# Altium PCB SX-SCPCB-014-V1.1_开关控制环型LED.PcbDoc (part 2 of 2)
Units mm, origin at the board's own origin, x right, y up, seen from the top; angles counter-clockwise.
Board outline 114.98 x 95 mm, 2 copper layers (Top Layer, Bottom Layer); 91 components, 56 nets, 282 pads, 0 vias.
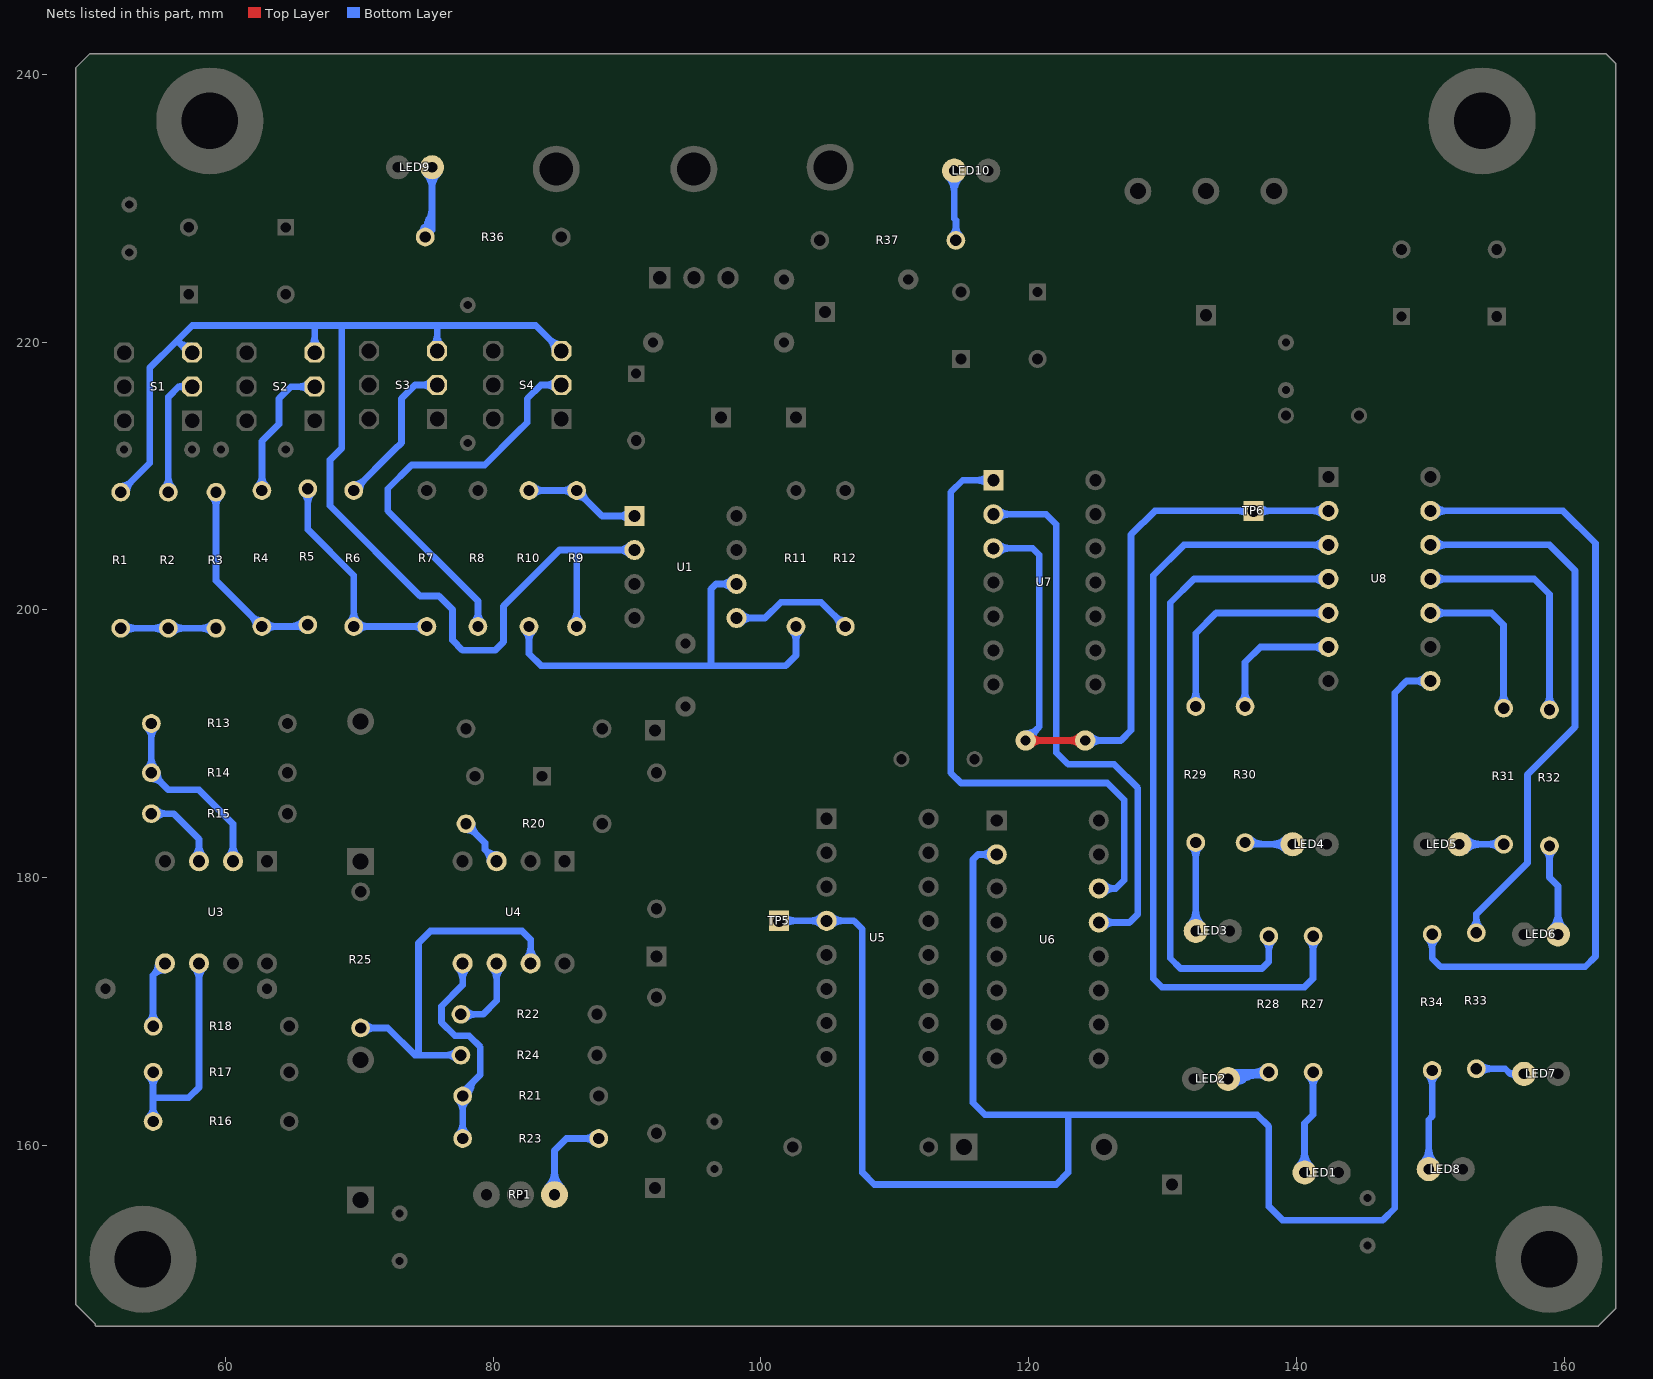
[diagram p2: the nets of this part, all layers, seen from the top]

## Nets (pads, with @x,y where several pads share a name; then routed paths per layer and width w, separated by ;. In a path a pad name is that pad's centre, name@x,y a point inside that pad or via, vN(x,y) a via of type N, cw(c..) or ccw(c..) an arc to the next point about the centre after c; other vN are vias at no path point) (continued)
NetLED1_1: LED1.1 R27.2 | length 16.1
  Bottom Layer w0.5: LED1.1@140.589,157.988 140.589,161.671 141.224,162.306 R27.2@141.224,165.481 ; 140.589,159.557 cw(c139.02,159.557) 140.129,158.448 ccw(c139.02,159.557) 140.589,159.557 ; 140.589,159.557 ccw(c142.158,159.557) 141.049,158.448 cw(c142.158,159.557) 140.589,159.557 ; 141.224,164.395 cw(c142.31,164.395) 141.542,165.163 ccw(c142.31,164.395) 141.224,164.395 ; 141.224,164.395 ccw(c140.138,164.395) 140.906,165.163 cw(c140.138,164.395) 141.224,164.395
NetLED2_1: LED2.1 R28.2 | length 22.4
  Bottom Layer w0.5: LED2.1@134.874,164.973 134.874,165.481 R28.2@137.922,165.481 ; LED2.1@134.989,165.069 ccw(c135.594,165.571) 135.987,164.891 ; LED2.1@135.332,165.435 ccw(c135.633,165.739) 135.847,165.368 ; LED2.1@135.374,165.389 ccw(c136.057,165.956) 136.501,165.187 ; LED2.1@135.517,164.88 cw(c136.184,164.784) 135.847,165.368 ; 136.836,165.481 cw(c136.836,164.395) 137.604,165.163 ccw(c136.836,164.395) 136.836,165.481 ; 136.836,165.481 ccw(c136.836,166.567) 137.604,165.799 cw(c136.836,166.567) 136.836,165.481 ; LED2.1@134.98,164.867 cw(c136.463,163.384) 136.463,165.481 ccw(c136.463,163.384) LED2.1@134.98,164.867 ; LED2.1@135.334,164.513 cw(c137.67,162.177) 137.67,165.481 ccw(c137.67,162.177) LED2.1@135.334,164.513 ; 136.703,165.222 cw(c137.042,163.957) 137.697,165.091 ccw(c137.042,163.957) 136.703,165.222 ; 137.008,165.304 ccw(c136.785,166.138) 137.532,165.706 cw(c136.785,166.138) 137.008,165.304
NetLED3_1: LED3.1 R29.2 | length 14.9
  Bottom Layer w0.5: LED3.1@132.461,176.022 R29.2@132.461,182.626 ; 132.461,177.591 cw(c130.892,177.591) 132.001,176.482 ccw(c130.892,177.591) 132.461,177.591 ; 132.461,177.591 ccw(c134.03,177.591) 132.921,176.482 cw(c134.03,177.591) 132.461,177.591 ; 132.461,181.54 cw(c133.547,181.54) 132.779,182.308 ccw(c133.547,181.54) 132.461,181.54 ; 132.461,181.54 ccw(c131.375,181.54) 132.143,182.308 cw(c131.375,181.54) 132.461,181.54
NetLED4_1: LED4.1 R30.2 | length 12
  Bottom Layer w0.5: R30.2@136.144,182.626 136.271,182.499 LED4.1@139.7,182.499 ; 138.131,182.499 cw(c138.131,180.93) 139.24,182.039 ccw(c138.131,180.93) 138.131,182.499 ; 138.131,182.499 ccw(c138.131,184.068) 139.24,182.959 cw(c138.131,184.068) 138.131,182.499 ; R30.2@136.462,182.308 cw(c136.924,181.846) 136.924,182.499 ccw(c136.924,181.846) R30.2@136.462,182.308 ; R30.2@136.462,182.944 ccw(c137.537,184.019) 137.537,182.499 cw(c137.537,184.019) R30.2@136.462,182.944
NetLED5_1: LED5.1 R31.2 | length 11.6
  Bottom Layer w0.5: LED5.1@152.146,182.499 R31.2@155.448,182.499 ; 153.715,182.499 cw(c153.715,184.068) 152.606,182.959 ccw(c153.715,184.068) 153.715,182.499 ; 153.715,182.499 ccw(c153.715,180.93) 152.606,182.039 cw(c153.715,180.93) 153.715,182.499 ; 154.362,182.499 cw(c154.362,181.413) 155.13,182.181 ccw(c154.362,181.413) 154.362,182.499 ; 154.362,182.499 ccw(c154.362,183.585) 155.13,182.817 cw(c154.362,183.585) 154.362,182.499
NetLED6_1: LED6.1 R32.2 | length 15.2
  Bottom Layer w0.5: R32.2@158.877,182.372 158.877,180.01 159.512,179.375 LED6.1@159.512,175.768 ; 158.877,181.286 cw(c159.963,181.286) 159.195,182.054 ccw(c159.963,181.286) 158.877,181.286 ; 158.877,181.286 ccw(c157.791,181.286) 158.559,182.054 cw(c157.791,181.286) 158.877,181.286 ; 159.512,177.337 cw(c157.943,177.337) 159.052,176.228 ccw(c157.943,177.337) 159.512,177.337 ; 159.512,177.337 ccw(c161.081,177.337) 159.972,176.228 cw(c161.081,177.337) 159.512,177.337
NetLED7_1: LED7.1 R33.2 | length 9.3
  Bottom Layer w0.5: R33.2@153.416,165.735 155.575,165.735 155.956,165.354 ; LED7.1@156.972,165.354 155.956,165.354 ; 154.502,165.735 cw(c154.502,166.821) 153.734,166.053 ccw(c154.502,166.821) 154.502,165.735 ; 154.502,165.735 ccw(c154.502,164.649) 153.734,165.417 cw(c154.502,164.649) 154.502,165.735 ; 155.956,165.354 cw(c155.956,164.885) 156.382,165.082 ccw(c155.956,164.885) 155.956,165.354 ; 155.956,165.354 ccw(c155.956,165.823) 156.382,165.626 cw(c155.956,165.823) 155.956,165.354
NetLED8_1: LED8.1 R34.2 | length 15.8
  Bottom Layer w0.5: LED8.1@149.86,158.242 149.86,161.925 150.114,162.179 R34.2@150.114,165.608 ; 149.86,159.811 cw(c148.291,159.811) 149.4,158.702 ccw(c148.291,159.811) 149.86,159.811 ; 149.86,159.811 ccw(c151.429,159.811) 150.32,158.702 cw(c151.429,159.811) 149.86,159.811 ; 150.114,164.522 cw(c151.2,164.522) 150.432,165.29 ccw(c151.2,164.522) 150.114,164.522 ; 150.114,164.522 ccw(c149.028,164.522) 149.796,165.29 cw(c149.028,164.522) 150.114,164.522
NetLED9_1: LED9.1 R36.2 | length 19.3
  Bottom Layer w0.5: 74.842,228.555 ccw(c75.426,228.217) R36.2@74.89,227.808 ; R36.2@74.93,227.838 75.438,228.346 LED9.1@75.438,233.045 ; 75.216,229.203 ccw(c76.07,228.711) R36.2@75.287,228.112 ; 75.438,231.476 cw(c77.007,231.476) 75.898,232.585 ccw(c77.007,231.476) 75.438,231.476 ; 75.438,231.476 ccw(c73.869,231.476) 74.978,232.585 cw(c73.869,231.476) 75.438,231.476 ; R36.2@74.612,228.156 ccw(c72.617,230.151) 75.438,230.151 cw(c72.617,230.151) R36.2@74.612,228.156 ; R36.2@74.965,227.803 ccw(c73.824,228.944) 75.438,228.944 cw(c73.824,228.944) R36.2@74.965,227.803
NetLED10_1: LED10.2 R37.2 | length 13.6
  Bottom Layer w0.5: LED10.2@114.427,232.791 114.427,229.21 114.554,229.083 R37.2@114.554,227.584 ; 114.427,231.222 cw(c115.996,231.222) 114.887,232.331 ccw(c115.996,231.222) 114.427,231.222 ; 114.427,231.222 ccw(c112.858,231.222) 113.967,232.331 cw(c112.858,231.222) 114.427,231.222 ; 114.554,228.67 cw(c113.468,228.67) 114.236,227.902 ccw(c113.468,228.67) 114.554,228.67 ; 114.554,228.67 ccw(c115.64,228.67) 114.872,227.902 cw(c115.64,228.67) 114.554,228.67
NetR1_1: R1.1 R2.1 R3.1 | length 20.8
  Bottom Layer w0.5: R1.1@52.197,198.628 R2.1@55.753,198.628 R3.1@59.309,198.628 ; 53.283,198.628 cw(c53.283,199.714) 52.515,198.946 ccw(c53.283,199.714) 53.283,198.628 ; 53.283,198.628 ccw(c53.283,197.542) 52.515,198.31 cw(c53.283,197.542) 53.283,198.628 ; 54.667,198.628 cw(c54.667,197.542) 55.435,198.31 ccw(c54.667,197.542) 54.667,198.628 ; 54.667,198.628 ccw(c54.667,199.714) 55.435,198.946 cw(c54.667,199.714) 54.667,198.628 ; 56.839,198.628 cw(c56.839,199.714) 56.071,198.946 ccw(c56.839,199.714) 56.839,198.628 ; 56.839,198.628 ccw(c56.839,197.542) 56.071,198.31 cw(c56.839,197.542) 56.839,198.628 ; 58.223,198.628 cw(c58.223,197.542) 58.991,198.31 ccw(c58.223,197.542) 58.223,198.628 ; 58.223,198.628 ccw(c58.223,199.714) 58.991,198.946 cw(c58.223,199.714) 58.223,198.628
NetR1_2: R1.2 R9.1 S1.1 S2.2 S3.2 S4.2 U1.2 | length 117.5
  Bottom Layer w0.5: R1.2@52.197,208.788 54.356,210.947 54.356,218.059 56.388,220.091 ; R1.2@52.197,209.238 ccw(c52.197,210.324) 52.965,209.556 ccw(c53.733,208.788) R1.2@52.647,208.788 ; S1.1@56.858,219.621 cw(c56.439,219.202) S1.1@57.032,219.202 ; S1.1@57.482,219.699 cw(c57.35,221.053) 56.388,220.091 ; S1.1@57.531,219.202 57.277,219.202 56.388,220.091 ; S2.2@66.322,219.555 ccw(c65.47,220.407) 66.675,220.407 ccw(c67.88,220.407) S2.2@67.028,219.555 ; S2.2@66.675,219.202 66.675,221.234 ; S3.2@75.466,219.682 ccw(c74.614,220.534) 75.819,220.534 ccw(c77.024,220.534) S3.2@76.172,219.682 ; S3.2@75.819,219.329 75.819,221.234 ; S4.2@84.591,219.329 ccw(c83.385,219.329) 84.238,220.181 ccw(c85.09,221.034) S4.2@85.09,219.828 ; S4.2@85.09,219.329 83.185,221.234 75.819,221.234 ; R9.1@86.233,198.755 86.233,204.47 ; U1.2@90.551,204.47 86.233,204.47 ; 56.388,220.091 57.531,221.234 66.675,221.234 ; 66.675,221.234 68.707,221.234 ; 68.707,221.234 68.707,212.09 67.818,211.201 67.818,207.772 74.549,201.041 75.946,201.041 76.962,200.025 76.962,197.739 77.724,196.977 80.137,196.977 80.772,197.612 80.772,200.279 84.963,204.47 86.233,204.47 ; 68.707,221.234 75.819,221.234 ; 86.233,199.841 cw(c85.147,199.841) 85.915,199.073 ccw(c85.147,199.841) 86.233,199.841 ; 86.233,199.841 ccw(c87.319,199.841) 86.551,199.073 cw(c87.319,199.841) 86.233,199.841 ; 89.344,204.47 cw(c89.344,203.263) 90.197,204.116 ccw(c89.344,203.263) 89.344,204.47 ; 89.344,204.47 ccw(c89.344,205.677) 90.197,204.824 cw(c89.344,205.677) 89.344,204.47
NetR2_2: R2.2 S1.2 | length 12.3
  Bottom Layer w0.5: R2.2@55.435,209.106 ccw(c54.667,209.874) 55.753,209.874 ccw(c56.839,209.874) R2.2@56.071,209.106 ; R2.2@55.753,208.788 55.753,215.9 56.515,216.662 ; S1.2@57.136,216.357 ccw(c56.515,215.878) 56.515,216.662 ; S1.2@57.136,216.967 cw(c56.515,217.446) 56.515,216.662 ; S1.2@57.531,216.662 56.515,216.662
NetR3_2: R3.2 R4.1 R5.1 | length 28.6
  Bottom Layer w0.5: R3.2@59.309,208.788 59.309,202.184 R4.1@62.738,198.755 66.04,198.755 R5.1@66.167,198.882 ; 59.309,207.702 cw(c60.395,207.702) 59.627,208.47 ccw(c60.395,207.702) 59.309,207.702 ; 59.309,207.702 ccw(c58.223,207.702) 58.991,208.47 cw(c58.223,207.702) 59.309,207.702 ; 61.97,199.523 cw(c61.202,198.755) 62.288,198.755 ccw(c61.202,198.755) 61.97,199.523 ; 61.97,199.523 ccw(c62.738,200.291) 62.738,199.205 cw(c62.738,200.291) 61.97,199.523 ; 63.824,198.755 cw(c63.824,199.841) 63.056,199.073 ccw(c63.824,199.841) 63.824,198.755 ; 63.824,198.755 ccw(c63.824,197.669) 63.056,198.437 cw(c63.824,197.669) 63.824,198.755 ; 64.774,198.755 ccw(c64.774,200.275) 65.849,199.2 cw(c64.774,200.275) 64.774,198.755 ; 65.387,198.755 cw(c65.387,198.102) 65.849,198.564 ccw(c65.387,198.102) 65.387,198.755
NetR4_2: R4.2 S2.1 | length 15.7
  Bottom Layer w0.5: R4.2@62.738,208.915 62.738,212.598 64.008,213.868 64.008,215.773 64.897,216.662 S2.1@66.675,216.662 ; S2.1@66.322,216.309 ccw(c65.47,215.457) 65.47,216.662 ccw(c65.47,217.867) S2.1@66.322,217.015 ; 62.738,210.001 cw(c61.652,210.001) 62.42,209.233 ccw(c61.652,210.001) 62.738,210.001 ; 62.738,210.001 ccw(c63.824,210.001) 63.056,209.233 cw(c63.824,210.001) 62.738,210.001
NetR5_2: R5.2 R6.1 R7.1 | length 30.8
  Bottom Layer w0.5: R5.2@66.167,209.042 66.167,205.994 69.596,202.565 R6.1@69.596,198.755 R7.1@75.057,198.755 ; 66.167,207.956 cw(c67.253,207.956) 66.485,208.724 ccw(c67.253,207.956) 66.167,207.956 ; 66.167,207.956 ccw(c65.081,207.956) 65.849,208.724 cw(c65.081,207.956) 66.167,207.956 ; 69.596,199.841 cw(c68.51,199.841) 69.278,199.073 ccw(c68.51,199.841) 69.596,199.841 ; 69.596,199.841 ccw(c70.682,199.841) R6.1@69.914,199.073 ; 69.596,199.841 ccw(c70.682,199.841) R6.1@69.914,199.073 ; R6.1@69.914,199.073 ccw(c70.682,199.841) 70.682,198.755 ; R6.1@69.914,199.073 ccw(c70.682,199.841) 70.682,198.755 ; 70.682,198.755 ccw(c70.682,197.669) 69.914,198.437 cw(c70.682,197.669) 70.682,198.755 ; 73.971,198.755 cw(c73.971,197.669) 74.739,198.437 ccw(c73.971,197.669) 73.971,198.755 ; 73.971,198.755 ccw(c73.971,199.841) 74.739,199.073 cw(c73.971,199.841) 73.971,198.755
NetR6_2: R6.2 S3.1 | length 16.7
  Bottom Layer w0.5: R6.2@69.596,208.915 72.644,211.963 73.152,212.471 73.152,215.773 74.168,216.789 S3.1@75.819,216.789 ; S3.1@75.466,216.436 ccw(c74.614,215.584) 74.614,216.789 ccw(c74.614,217.994) S3.1@75.466,217.142 ; 70.364,209.683 cw(c69.596,210.451) 69.596,209.365 ccw(c69.596,210.451) 70.364,209.683 ; 70.364,209.683 ccw(c71.132,208.915) 70.046,208.915 cw(c71.132,208.915) 70.364,209.683
NetR8_2: R8.2 S4.1 | length 35.6
  Bottom Layer w0.5: R8.2@78.867,198.755 78.867,200.66 72.136,207.391 72.136,209.042 73.914,210.82 79.375,210.82 81.788,213.233 82.55,213.995 82.55,215.773 83.566,216.789 S4.1@85.09,216.789 ; S4.1@84.737,216.436 ccw(c83.885,215.584) 83.885,216.789 ccw(c83.885,217.994) S4.1@84.737,217.142 ; 78.867,199.841 cw(c77.781,199.841) 78.549,199.073 ccw(c77.781,199.841) 78.867,199.841 ; 78.867,199.841 ccw(c79.953,199.841) 79.185,199.073 cw(c79.953,199.841) 78.867,199.841
NetR9_2: R9.2 R10.2 U1.1 | length 22.7
  Bottom Layer w0.5: R10.2@82.677,208.915 R9.2@86.233,208.915 88.138,207.01 U1.1@90.551,207.01 ; 83.763,208.915 cw(c83.763,210.001) 82.995,209.233 ccw(c83.763,210.001) 83.763,208.915 ; 83.763,208.915 ccw(c83.763,207.829) 82.995,208.597 cw(c83.763,207.829) 83.763,208.915 ; 85.147,208.915 cw(c85.147,207.829) 85.915,208.597 ccw(c85.147,207.829) 85.147,208.915 ; 85.147,208.915 ccw(c85.147,210.001) 85.915,209.233 cw(c85.147,210.001) 85.147,208.915 ; 87.001,208.147 cw(c87.769,208.915) 86.683,208.915 ccw(c87.769,208.915) 87.001,208.147 ; 87.001,208.147 ccw(c86.233,207.379) 86.233,208.465 cw(c86.233,207.379) 87.001,208.147 ; 89.344,207.01 cw(c89.344,205.803) 90.197,206.656 ccw(c89.344,205.803) 89.344,207.01 ; 89.344,207.01 ccw(c89.344,208.217) 90.197,207.364 cw(c89.344,208.217) 89.344,207.01
NetR10_1: R10.1 R11.2 U1.6 | length 43.2
  Bottom Layer w0.5: R10.1@82.677,198.755 82.677,196.723 83.566,195.834 95.905,195.834 96.266,195.834 ; U1.6@98.171,201.93 96.647,201.93 96.266,201.549 96.266,195.834 ; R11.2@102.616,198.755 102.616,196.596 101.854,195.834 96.266,195.834 ; 82.677,197.669 cw(c83.763,197.669) 82.995,198.437 ccw(c83.763,197.669) 82.677,197.669 ; 82.677,197.669 ccw(c81.591,197.669) 82.359,198.437 cw(c81.591,197.669) 82.677,197.669 ; 96.964,201.93 cw(c96.964,200.723) 97.817,201.576 ccw(c96.964,200.723) 96.964,201.93 ; 96.964,201.93 ccw(c96.964,203.137) 97.817,202.284 cw(c96.964,203.137) 96.964,201.93 ; 102.616,197.669 cw(c103.702,197.669) 102.934,198.437 ccw(c103.702,197.669) 102.616,197.669 ; 102.616,197.669 ccw(c101.53,197.669) 102.298,198.437 cw(c101.53,197.669) 102.616,197.669
NetR12_1: R12.1 U1.5 | length 16.6
  Bottom Layer w0.5: U1.5@98.171,199.39 100.305,199.39 101.473,200.558 104.496,200.558 R12.1@106.299,198.755 ; 99.378,199.39 cw(c99.378,200.597) 98.525,199.744 ccw(c99.378,200.597) 99.378,199.39 ; 99.378,199.39 ccw(c99.378,198.183) 98.525,199.036 cw(c99.378,198.183) 99.378,199.39 ; 105.531,199.523 cw(c104.763,198.755) 105.849,198.755 ccw(c104.763,198.755) 105.531,199.523 ; 105.531,199.523 ccw(c106.299,200.291) 106.299,199.205 cw(c106.299,200.291) 105.531,199.523
NetR13_1: R13.1 R14.2 U3.2 | length 28.2
  Bottom Layer w0.5: R13.1@54.483,191.516 R14.2@54.483,187.833 55.753,186.563 58.039,186.563 60.579,184.023 U3.2@60.579,181.229 ; 54.483,188.919 cw(c53.397,188.919) 54.165,188.151 ccw(c53.397,188.919) 54.483,188.919 ; 54.483,188.919 ccw(c55.569,188.919) 54.801,188.151 cw(c55.569,188.919) 54.483,188.919 ; 54.483,190.43 cw(c55.569,190.43) 54.801,191.198 ccw(c55.569,190.43) 54.483,190.43 ; 54.483,190.43 ccw(c53.397,190.43) 54.165,191.198 cw(c53.397,190.43) 54.483,190.43 ; 55.251,187.065 cw(c56.019,187.833) 54.933,187.833 ccw(c56.019,187.833) 55.251,187.065 ; 55.251,187.065 ccw(c54.483,186.297) 54.483,187.383 cw(c54.483,186.297) 55.251,187.065 ; 60.579,182.436 cw(c59.372,182.436) 60.225,181.583 ccw(c59.372,182.436) 60.579,182.436 ; 60.579,182.436 ccw(c61.786,182.436) 60.933,181.583 cw(c61.786,182.436) 60.579,182.436
NetR15_1: R15.1 U3.3 | length 13.2
  Bottom Layer w0.5: R15.1@54.483,184.785 56.134,184.785 58.039,182.88 U3.3@58.039,181.229 ; 55.569,184.785 cw(c55.569,185.871) 54.801,185.103 ccw(c55.569,185.871) 55.569,184.785 ; 55.569,184.785 ccw(c55.569,183.699) 54.801,184.467 cw(c55.569,183.699) 55.569,184.785 ; 58.039,182.436 cw(c56.832,182.436) 57.685,181.583 ccw(c56.832,182.436) 58.039,182.436 ; 58.039,182.436 ccw(c59.246,182.436) 58.393,181.583 cw(c59.246,182.436) 58.039,182.436
NetR16_1: R16.1 R17.2 U3.6 | length 27.3
  Bottom Layer w0.5: R16.1@54.61,161.798 54.61,163.576 ; R17.2@54.61,165.481 54.61,163.576 ; U3.6@58.039,173.609 58.039,164.338 57.277,163.576 54.61,163.576 ; 54.61,162.884 cw(c53.524,162.884) 54.292,162.116 ccw(c53.524,162.884) 54.61,162.884 ; 54.61,162.884 ccw(c55.696,162.884) 54.928,162.116 cw(c55.696,162.884) 54.61,162.884 ; 54.61,164.395 cw(c55.696,164.395) 54.928,165.163 ccw(c55.696,164.395) 54.61,164.395 ; 54.61,164.395 ccw(c53.524,164.395) 54.292,165.163 cw(c53.524,164.395) 54.61,164.395 ; 58.039,172.402 cw(c59.246,172.402) 58.393,173.255 ccw(c59.246,172.402) 58.039,172.402 ; 58.039,172.402 ccw(c56.832,172.402) 57.685,173.255 cw(c56.832,172.402) 58.039,172.402
NetR18_1: R18.1 U3.5 | length 12.3
  Bottom Layer w0.5: R18.1@54.61,168.91 54.61,172.72 U3.5@55.499,173.609 ; 54.61,169.996 cw(c53.524,169.996) 54.292,169.228 ccw(c53.524,169.996) 54.61,169.996 ; 54.61,169.996 ccw(c55.696,169.996) 54.928,169.228 cw(c55.696,169.996) 54.61,169.996 ; 54.645,172.755 cw(c55.499,171.902) 55.499,173.109 ccw(c55.499,171.902) 54.645,172.755 ; 54.645,172.755 ccw(c53.792,173.609) 54.999,173.609 cw(c53.792,173.609) 54.645,172.755
NetR20_2: R20.2 U4.3 | length 10.9
  Bottom Layer w0.5: R20.2@77.978,184.023 79.4,182.601 79.4,182.093 U4.3@80.264,181.229 ; 78.746,183.255 cw(c79.514,184.023) 78.428,184.023 ccw(c79.514,184.023) 78.746,183.255 ; 78.746,183.255 ccw(c77.978,182.487) 77.978,183.573 cw(c77.978,182.487) 78.746,183.255 ; 79.41,182.083 cw(c78.557,181.229) 79.764,181.229 ccw(c78.557,181.229) 79.41,182.083 ; 79.41,182.083 ccw(c80.264,182.936) 80.264,181.729 cw(c80.264,182.936) 79.41,182.083
NetR21_1: R21.1 R23.2 U4.5 | length 30.4
  Bottom Layer w0.5: R23.2@77.724,160.528 R21.1@77.724,163.703 77.724,163.978 79.047,165.301 79.047,167.352 78.198,168.201 77.144,168.201 76.147,169.198 76.147,170.4 77.724,171.977 U4.5@77.724,173.609 ; R21.1@77.743,163.657 ccw(c77.361,164.599) 78.344,164.336 ; 77.724,161.614 cw(c76.638,161.614) 77.406,160.846 ccw(c76.638,161.614) 77.724,161.614 ; 77.724,161.614 ccw(c78.81,161.614) 78.042,160.846 cw(c78.81,161.614) 77.724,161.614 ; 77.724,162.617 cw(c78.81,162.617) 78.042,163.385 ccw(c78.81,162.617) 77.724,162.617 ; 77.724,162.617 ccw(c76.638,162.617) 77.406,163.385 cw(c76.638,162.617) 77.724,162.617 ; 77.724,172.402 cw(c78.931,172.402) 78.078,173.255 ccw(c78.931,172.402) 77.724,172.402 ; 77.724,172.402 ccw(c76.517,172.402) 77.37,173.255 cw(c76.517,172.402) 77.724,172.402 ; R21.1@78.174,163.703 cw(c79.924,163.703) 78.687,164.941 ccw(c79.924,163.703) R21.1@78.174,163.703
NetR22_2: R22.2 U4.6 | length 13.1
  Bottom Layer w0.5: R22.2@77.597,169.799 79.248,169.799 80.264,170.815 U4.6@80.264,173.609 ; 78.683,169.799 cw(c78.683,170.885) 77.915,170.117 ccw(c78.683,170.885) 78.683,169.799 ; 78.683,169.799 ccw(c78.683,168.713) 77.915,169.481 cw(c78.683,168.713) 78.683,169.799 ; 80.264,172.402 cw(c81.471,172.402) 80.618,173.255 ccw(c81.471,172.402) 80.264,172.402 ; 80.264,172.402 ccw(c79.057,172.402) 79.91,173.255 cw(c79.057,172.402) 80.264,172.402
NetR23_1: R23.1 RP1.1 | length 16.1
  Bottom Layer w0.5: RP1.1@84.582,156.337 84.582,159.639 85.471,160.528 R23.1@87.884,160.528 ; 84.582,158.148 cw(c82.771,158.148) 84.052,156.867 ccw(c82.771,158.148) 84.582,158.148 ; 84.582,158.148 ccw(c86.393,158.148) 85.112,156.867 cw(c86.393,158.148) 84.582,158.148 ; 86.798,160.528 cw(c86.798,159.442) 87.566,160.21 ccw(c86.798,159.442) 86.798,160.528 ; 86.798,160.528 ccw(c86.798,161.614) 87.566,160.846 cw(c86.798,161.614) 86.798,160.528
NetR24_2: R24.2 R25.1 U4.7 | length 38.1
  Bottom Layer w0.5: R25.1@70.104,168.783 72.136,168.783 74.168,166.751 74.422,166.751 ; R24.2@77.597,166.751 74.422,166.751 ; U4.7@82.804,173.609 82.804,175.387 82.169,176.022 75.311,176.022 74.422,175.133 74.422,166.751 ; 71.19,168.783 cw(c71.19,169.869) 70.422,169.101 ccw(c71.19,169.869) 71.19,168.783 ; 71.19,168.783 ccw(c71.19,167.697) 70.422,168.465 cw(c71.19,167.697) 71.19,168.783 ; 76.511,166.751 cw(c76.511,165.665) 77.279,166.433 ccw(c76.511,165.665) 76.511,166.751 ; 76.511,166.751 ccw(c76.511,167.837) 77.279,167.069 cw(c76.511,167.837) 76.511,166.751 ; 82.804,174.816 cw(c81.597,174.816) 82.45,173.963 ccw(c81.597,174.816) 82.804,174.816 ; 82.804,174.816 ccw(c84.011,174.816) 83.158,173.963 cw(c84.011,174.816) 82.804,174.816
NetR27_1: R27.1 U8.3 | length 67
  Bottom Layer w0.5: R27.1@141.224,175.641 141.224,172.466 140.589,171.831 129.921,171.831 129.286,172.466 129.286,202.565 131.572,204.851 U8.3@142.367,204.851 ; 141.16,204.851 cw(c141.16,203.644) 142.013,204.497 ccw(c141.16,203.644) 141.16,204.851 ; 141.16,204.851 ccw(c141.16,206.058) 142.013,205.205 cw(c141.16,206.058) 141.16,204.851 ; 141.224,174.555 cw(c142.31,174.555) 141.542,175.323 ccw(c142.31,174.555) 141.224,174.555 ; 141.224,174.555 ccw(c140.138,174.555) 140.906,175.323 cw(c140.138,174.555) 141.224,174.555
NetR28_1: R28.1 U8.4 | length 56.1
  Bottom Layer w0.5: R28.1@137.922,175.641 137.922,173.736 137.414,173.228 131.318,173.228 130.556,173.99 130.556,200.533 132.334,202.311 U8.4@142.367,202.311 ; 137.922,174.555 cw(c139.008,174.555) 138.24,175.323 ccw(c139.008,174.555) 137.922,174.555 ; 137.922,174.555 ccw(c136.836,174.555) 137.604,175.323 cw(c136.836,174.555) 137.922,174.555 ; 141.16,202.311 cw(c141.16,201.104) 142.013,201.957 ccw(c141.16,201.104) 141.16,202.311 ; 141.16,202.311 ccw(c141.16,203.518) 142.013,202.665 cw(c141.16,203.518) 141.16,202.311
NetR29_1: R29.1 U8.5 | length 23.2
  Bottom Layer w0.5: R29.1@132.461,192.786 132.461,198.247 133.985,199.771 U8.5@142.367,199.771 ; 132.461,193.872 cw(c131.375,193.872) 132.143,193.104 ccw(c131.375,193.872) 132.461,193.872 ; 132.461,193.872 ccw(c133.547,193.872) 132.779,193.104 cw(c133.547,193.872) 132.461,193.872 ; 141.16,199.771 cw(c141.16,198.564) 142.013,199.417 ccw(c141.16,198.564) 141.16,199.771 ; 141.16,199.771 ccw(c141.16,200.978) 142.013,200.125 cw(c141.16,200.978) 141.16,199.771
NetR30_1: R30.1 U8.6 | length 17.2
  Bottom Layer w0.5: R30.1@136.144,192.786 136.144,196.088 137.287,197.231 U8.6@142.367,197.231 ; 136.144,193.872 cw(c135.058,193.872) 135.826,193.104 ccw(c135.058,193.872) 136.144,193.872 ; 136.144,193.872 ccw(c137.23,193.872) 136.462,193.104 cw(c137.23,193.872) 136.144,193.872 ; 141.16,197.231 cw(c141.16,196.024) 142.013,196.877 ccw(c141.16,196.024) 141.16,197.231 ; 141.16,197.231 ccw(c141.16,198.438) 142.013,197.585 cw(c141.16,198.438) 141.16,197.231
NetR31_1: R31.1 U8.10 | length 19.3
  Bottom Layer w0.5: U8.10@149.987,199.771 154.559,199.771 155.448,198.882 R31.1@155.448,192.659 ; 151.194,199.771 cw(c151.194,200.978) 150.341,200.125 ccw(c151.194,200.978) 151.194,199.771 ; 151.194,199.771 ccw(c151.194,198.564) 150.341,199.417 cw(c151.194,198.564) 151.194,199.771 ; 155.448,193.745 cw(c154.362,193.745) 155.13,192.977 ccw(c154.362,193.745) 155.448,193.745 ; 155.448,193.745 ccw(c156.534,193.745) 155.766,192.977 cw(c156.534,193.745) 155.448,193.745
NetR32_1: R32.1 U8.11 | length 25.2
  Bottom Layer w0.5: U8.11@149.987,202.311 157.734,202.311 158.877,201.168 R32.1@158.877,192.532 ; 151.194,202.311 cw(c151.194,203.518) 150.341,202.665 ccw(c151.194,203.518) 151.194,202.311 ; 151.194,202.311 ccw(c151.194,201.104) 150.341,201.957 cw(c151.194,201.104) 151.194,202.311 ; 158.877,193.618 cw(c157.791,193.618) 158.559,192.85 ccw(c157.791,193.618) 158.877,193.618 ; 158.877,193.618 ccw(c159.963,193.618) 159.195,192.85 cw(c159.963,193.618) 158.877,193.618
NetR33_1: R33.1 U8.12 | length 48.9
  Bottom Layer w0.5: U8.12@149.987,204.851 158.877,204.851 160.782,202.946 160.782,191.262 157.226,187.706 157.226,181.102 153.416,177.292 R33.1@153.416,175.895 ; 151.194,204.851 cw(c151.194,206.058) 150.341,205.205 ccw(c151.194,206.058) 151.194,204.851 ; 151.194,204.851 ccw(c151.194,203.644) 150.341,204.497 cw(c151.194,203.644) 151.194,204.851 ; 153.416,176.981 cw(c152.33,176.981) 153.098,176.213 ccw(c152.33,176.981) 153.416,176.981 ; 153.416,176.981 ccw(c154.502,176.981) 153.734,176.213 cw(c154.502,176.981) 153.416,176.981
NetR34_1: R34.1 U8.13 | length 65.9
  Bottom Layer w0.5: U8.13@149.987,207.391 159.893,207.391 162.306,204.978 162.306,174.117 161.544,173.355 150.749,173.355 150.114,173.99 R34.1@150.114,175.768 ; 150.114,174.682 cw(c151.2,174.682) 150.432,175.45 ccw(c151.2,174.682) 150.114,174.682 ; 150.114,174.682 ccw(c149.028,174.682) 149.796,175.45 cw(c149.028,174.682) 150.114,174.682 ; 151.194,207.391 cw(c151.194,208.598) 150.341,207.745 ccw(c151.194,208.598) 151.194,207.391 ; 151.194,207.391 ccw(c151.194,206.184) 150.341,207.037 cw(c151.194,206.184) 151.194,207.391
NetTP5_1: TP5.1 U5.4 U6.2 U8.8 | length 164.6
  Bottom Layer w0.5: TP5.1@101.346,176.784 U5.4@104.902,176.784 106.934,176.784 107.569,176.149 107.569,157.988 108.458,157.099 122.047,157.099 122.936,157.988 122.936,162.306 ; U6.2@117.602,181.737 116.205,181.737 115.824,181.356 115.824,163.195 116.713,162.306 122.936,162.306 ; U8.8@149.987,194.691 148.209,194.691 147.32,193.802 147.32,155.321 146.431,154.432 138.938,154.432 137.922,155.448 137.922,161.417 137.033,162.306 122.936,162.306 ; 102.553,176.784 cw(c102.553,177.991) 101.7,177.138 ccw(c102.553,177.991) 102.553,176.784 ; 102.553,176.784 ccw(c102.553,175.577) 101.7,176.43 cw(c102.553,175.577) 102.553,176.784 ; 103.695,176.784 cw(c103.695,175.577) 104.548,176.43 ccw(c103.695,175.577) 103.695,176.784 ; 103.695,176.784 ccw(c103.695,177.991) 104.548,177.138 cw(c103.695,177.991) 103.695,176.784 ; 106.109,176.784 cw(c106.109,177.991) 105.256,177.138 ccw(c106.109,177.991) 106.109,176.784 ; 106.109,176.784 ccw(c106.109,175.577) 105.256,176.43 cw(c106.109,175.577) 106.109,176.784 ; 116.395,181.737 cw(c116.395,180.53) 117.248,181.383 ccw(c116.395,180.53) 116.395,181.737 ; 116.395,181.737 ccw(c116.395,182.944) 117.248,182.091 cw(c116.395,182.944) 116.395,181.737 ; 148.78,194.691 cw(c148.78,193.484) 149.633,194.337 ccw(c148.78,193.484) 148.78,194.691 ; 148.78,194.691 ccw(c148.78,195.898) 149.633,195.045 cw(c148.78,195.898) 148.78,194.691
NetTP6_1: pad.0@119.761,190.246 pad.1@124.206,190.246 TP6.1 U7.3 U8.2 | length 86.9
  Top Layer w0.5: pad.0@119.761,190.246 pad.1@124.206,190.246 ; 120.997,190.246 cw(c120.997,191.482) 120.123,190.608 ccw(c120.997,191.482) 120.997,190.246 ; 120.997,190.246 ccw(c120.997,189.01) 120.123,189.884 cw(c120.997,189.01) 120.997,190.246 ; 122.97,190.246 cw(c122.97,189.01) 123.844,189.884 ccw(c122.97,189.01) 122.97,190.246 ; 122.97,190.246 ccw(c122.97,191.482) 123.844,190.608 cw(c122.97,191.482) 122.97,190.246
  Bottom Layer w0.5: U7.3@117.348,204.597 120.269,204.597 120.777,204.089 120.777,191.262 pad.0@119.761,190.246 ; pad.1@124.206,190.246 126.873,190.246 127.635,191.008 127.635,205.613 129.413,207.391 TP6.1@136.779,207.391 U8.2@142.367,207.391 ; 118.555,204.597 cw(c118.555,205.804) 117.702,204.951 ccw(c118.555,205.804) 118.555,204.597 ; 118.555,204.597 ccw(c118.555,203.39) 117.702,204.243 cw(c118.555,203.39) 118.555,204.597 ; 120.635,191.12 cw(c119.761,191.994) 119.761,190.758 ccw(c119.761,191.994) 120.635,191.12 ; 120.635,191.12 ccw(c121.509,190.246) 120.273,190.246 cw(c121.509,190.246) 120.635,191.12 ; 125.442,190.246 cw(c125.442,191.482) 124.568,190.608 ccw(c125.442,191.482) 125.442,190.246 ; 125.442,190.246 ccw(c125.442,189.01) 124.568,189.884 cw(c125.442,189.01) 125.442,190.246 ; 135.572,207.391 cw(c135.572,206.184) 136.425,207.037 ccw(c135.572,206.184) 135.572,207.391 ; 135.572,207.391 ccw(c135.572,208.598) 136.425,207.745 cw(c135.572,208.598) 135.572,207.391 ; 137.986,207.391 cw(c137.986,208.598) 137.133,207.745 ccw(c137.986,208.598) 137.986,207.391 ; 137.986,207.391 ccw(c137.986,206.184) 137.133,207.037 cw(c137.986,206.184) 137.986,207.391 ; 141.16,207.391 cw(c141.16,206.184) 142.013,207.037 ccw(c141.16,206.184) 141.16,207.391 ; 141.16,207.391 ccw(c141.16,208.598) 142.013,207.745 cw(c141.16,208.598) 141.16,207.391
NetU6_13: U6.13 U7.2 | length 49.4
  Bottom Layer w0.5: U7.2@117.348,207.137 121.285,207.137 122.047,206.375 122.047,189.357 122.936,188.468 126.365,188.468 128.143,186.69 128.143,177.292 127.508,176.657 U6.13@125.222,176.657 ; 118.555,207.137 cw(c118.555,208.344) 117.702,207.491 ccw(c118.555,208.344) 118.555,207.137 ; 118.555,207.137 ccw(c118.555,205.93) 117.702,206.783 cw(c118.555,205.93) 118.555,207.137 ; 126.429,176.657 cw(c126.429,177.864) 125.576,177.011 ccw(c126.429,177.864) 126.429,176.657 ; 126.429,176.657 ccw(c126.429,175.45) 125.576,176.303 cw(c126.429,175.45) 126.429,176.657
NetU6_14: U6.14 U7.1 | length 54
  Bottom Layer w0.5: U7.1@117.348,209.677 115.062,209.677 114.173,208.788 114.173,187.833 114.935,187.071 125.857,187.071 127.127,185.801 127.127,179.832 126.492,179.197 U6.14@125.222,179.197 ; 116.141,209.677 cw(c116.141,208.47) 116.994,209.323 ccw(c116.141,208.47) 116.141,209.677 ; 116.141,209.677 ccw(c116.141,210.884) 116.994,210.031 cw(c116.141,210.884) 116.141,209.677 ; 126.429,179.197 cw(c126.429,180.404) 125.576,179.551 ccw(c126.429,180.404) 126.429,179.197 ; 126.429,179.197 ccw(c126.429,177.99) 125.576,178.843 cw(c126.429,177.99) 126.429,179.197
pads on no net: S1.4 S1.5 S1.6 S2.4 S2.5 S2.6 S3.4 S3.5 S3.6 S4.4 S4.5 S4.6 U5.1 U5.2 U5.3 U5.5 U5.6 U5.7 U5.9 U5.12 U5.13 U5.14 U5.15 U6.3 U6.4 U6.5 U6.6 U6.11 U6.12 U6.15 U7.4 U7.5 U7.6 U7.8 U7.9 U7.10 U7.11 U7.12 U7.13

## Polygon pours and split planes (outlines as drawn)
GND on Bottom Layer "Bottom Layer-No Net" (solid, pour order 2): 49.023,146.813 49.023,241.047 49.658,241.682 49.7,241.639 53.214,241.639 162.984,241.639 164.085,240.539 163.975,240.429 163.975,239.396 163.975,147.592 163.069,146.686 163.022,146.639 161.975,146.639 50.212,146.639 49.023,147.829

## Keep-outs
Keep-Out Layer:
  lines w0.254: 48.852,239.511 cw(c50.85,239.513) 50.848,241.511 ; 161.848,241.511 cw(c161.848,239.511) 163.848,239.511
  lines w0.3: 48.848,239.507 48.848,148.511 ccw(c50.848,148.511) 50.848,146.511 161.848,146.511 ccw(c161.848,148.511) 163.848,148.511 163.848,239.511 ; 50.848,241.511 161.848,241.511

## Silkscreen, mask and mechanical layers (free items; w line width, h text height)
Top Overlay:
  lines w0.254: 51.054,171.704 63.119,171.704 ; 52.451,211.963 57.404,211.963 ; 52.832,226.695 52.832,230.251 ; 59.69,211.963 64.516,211.963 ; 73.025,151.384 73.025,154.94 ; 78.105,212.471 78.105,222.758 ; 91.948,219.964 101.727,219.964 ; 94.361,192.786 94.361,197.231 ; 96.52,158.242 96.52,161.798 ; 101.727,224.663 110.998,224.663 ; 110.49,188.849 115.951,188.849 ; 119.761,190.246 124.206,190.246 ; 139.192,214.503 144.653,214.503 ; 139.192,216.408 139.192,219.964 ; 145.288,152.527 145.288,156.083
  lines w0.5: 48.848,194.056 113.665,194.056 113.665,217.551 ; 48.895,222.377 99.568,222.377 99.568,217.678 163.83,217.678 ; 48.915,157.801 54.712,157.801 cw(c49.478,146.338) 59.817,153.543 152.781,153.543 cw(c163.12,146.338) 157.886,157.801 163.683,157.801 ; 99.187,153.543 99.187,194.056
  text "-" at 138.938,238.887 h2 r180
  text "+" at 128.778,238.76 h2 r180
  text "GND" at 131.826,237.363 h0.8
  text "+12V" at 71.374,236.474 h1.52
  text "-12V" at 112.268,236.347 h1.52
  text "绿" at 70.231,232.156 h1.02
  text "绿" at 118.998,231.503 h1.02
  text "GND" at 51.562,229.489 h0.76 r270
  text "GND" at 76.708,223.647 h1.02
  text "+5V" at 106.68,223.393 h1.02
  text "+5V" at 93.726,220.345 h1.02
  text "GND" at 140.716,218.186 h0.7 r90
  text "GND" at 141.224,215.011 h0.7
  text "GND" at 53.34,210.947 h0.76
  text "GND" at 60.403,210.871 h0.76
  text "-12V" at 95.123,197.231 h0.76 r270
  text "GND" at 112.141,189.23 h0.76
  text "黄" at 143.383,184.658 h1.02
  text "蓝" at 152.781,184.531 h1.02
  text "红" at 136.144,178.562 h1.02
  text "绿" at 160.401,177.673 h1.02
  text "Freq" at 94.234,172.339 h1.02
  text "+12V" at 53.213,170.434 h0.76
  text "红" at 160.274,167.767 h1.02
  text "绿" at 135.636,167.005 h1.02
  text "黄" at 153.162,160.401 h1.02
  text "蓝" at 143.891,160.274 h1.02
  text "GND" at 144.907,159.258 h0.76 r270
  text "GND" at 96.012,159.131 h0.7 r90
  text "GND" at 72.644,157.861 h0.76 r270
  text "SX-SCPCB-014.PCB-V1.1" at 111.506,148.59 h1.78
  text "开关控制环型LED" at 86.614,148.463 h3
  text "尺寸要求：" at 53.213,140.843 h2
  text "95mm*115mm" at 63.119,140.843 h2
  text "制板要求：" at 53.34,138.557 h2
  text "板厚1.6mm、板材FR4、单面板、金属孔化、绿油白字" at 63.246,138.557 h2
  text "表面喷锡、铜铂厚度35um" at 63.246,136.652 h2

## Text inside footprints (layer, text, board x,y; h text height)
C2: Top Overlay "+" at 63.766,230.61 h1.5 r270
C4: Top Overlay "+" at 148.578,219.859 h1.5 r90
C5: Top Overlay "+" at 119.9,225.784 h1.5 r270
C7: Top Overlay "+" at 89.928,219.688 h1.5 r270